# Altium PCB CGRA_Board_3.PcbDoc (part 2 of 7) (continued)
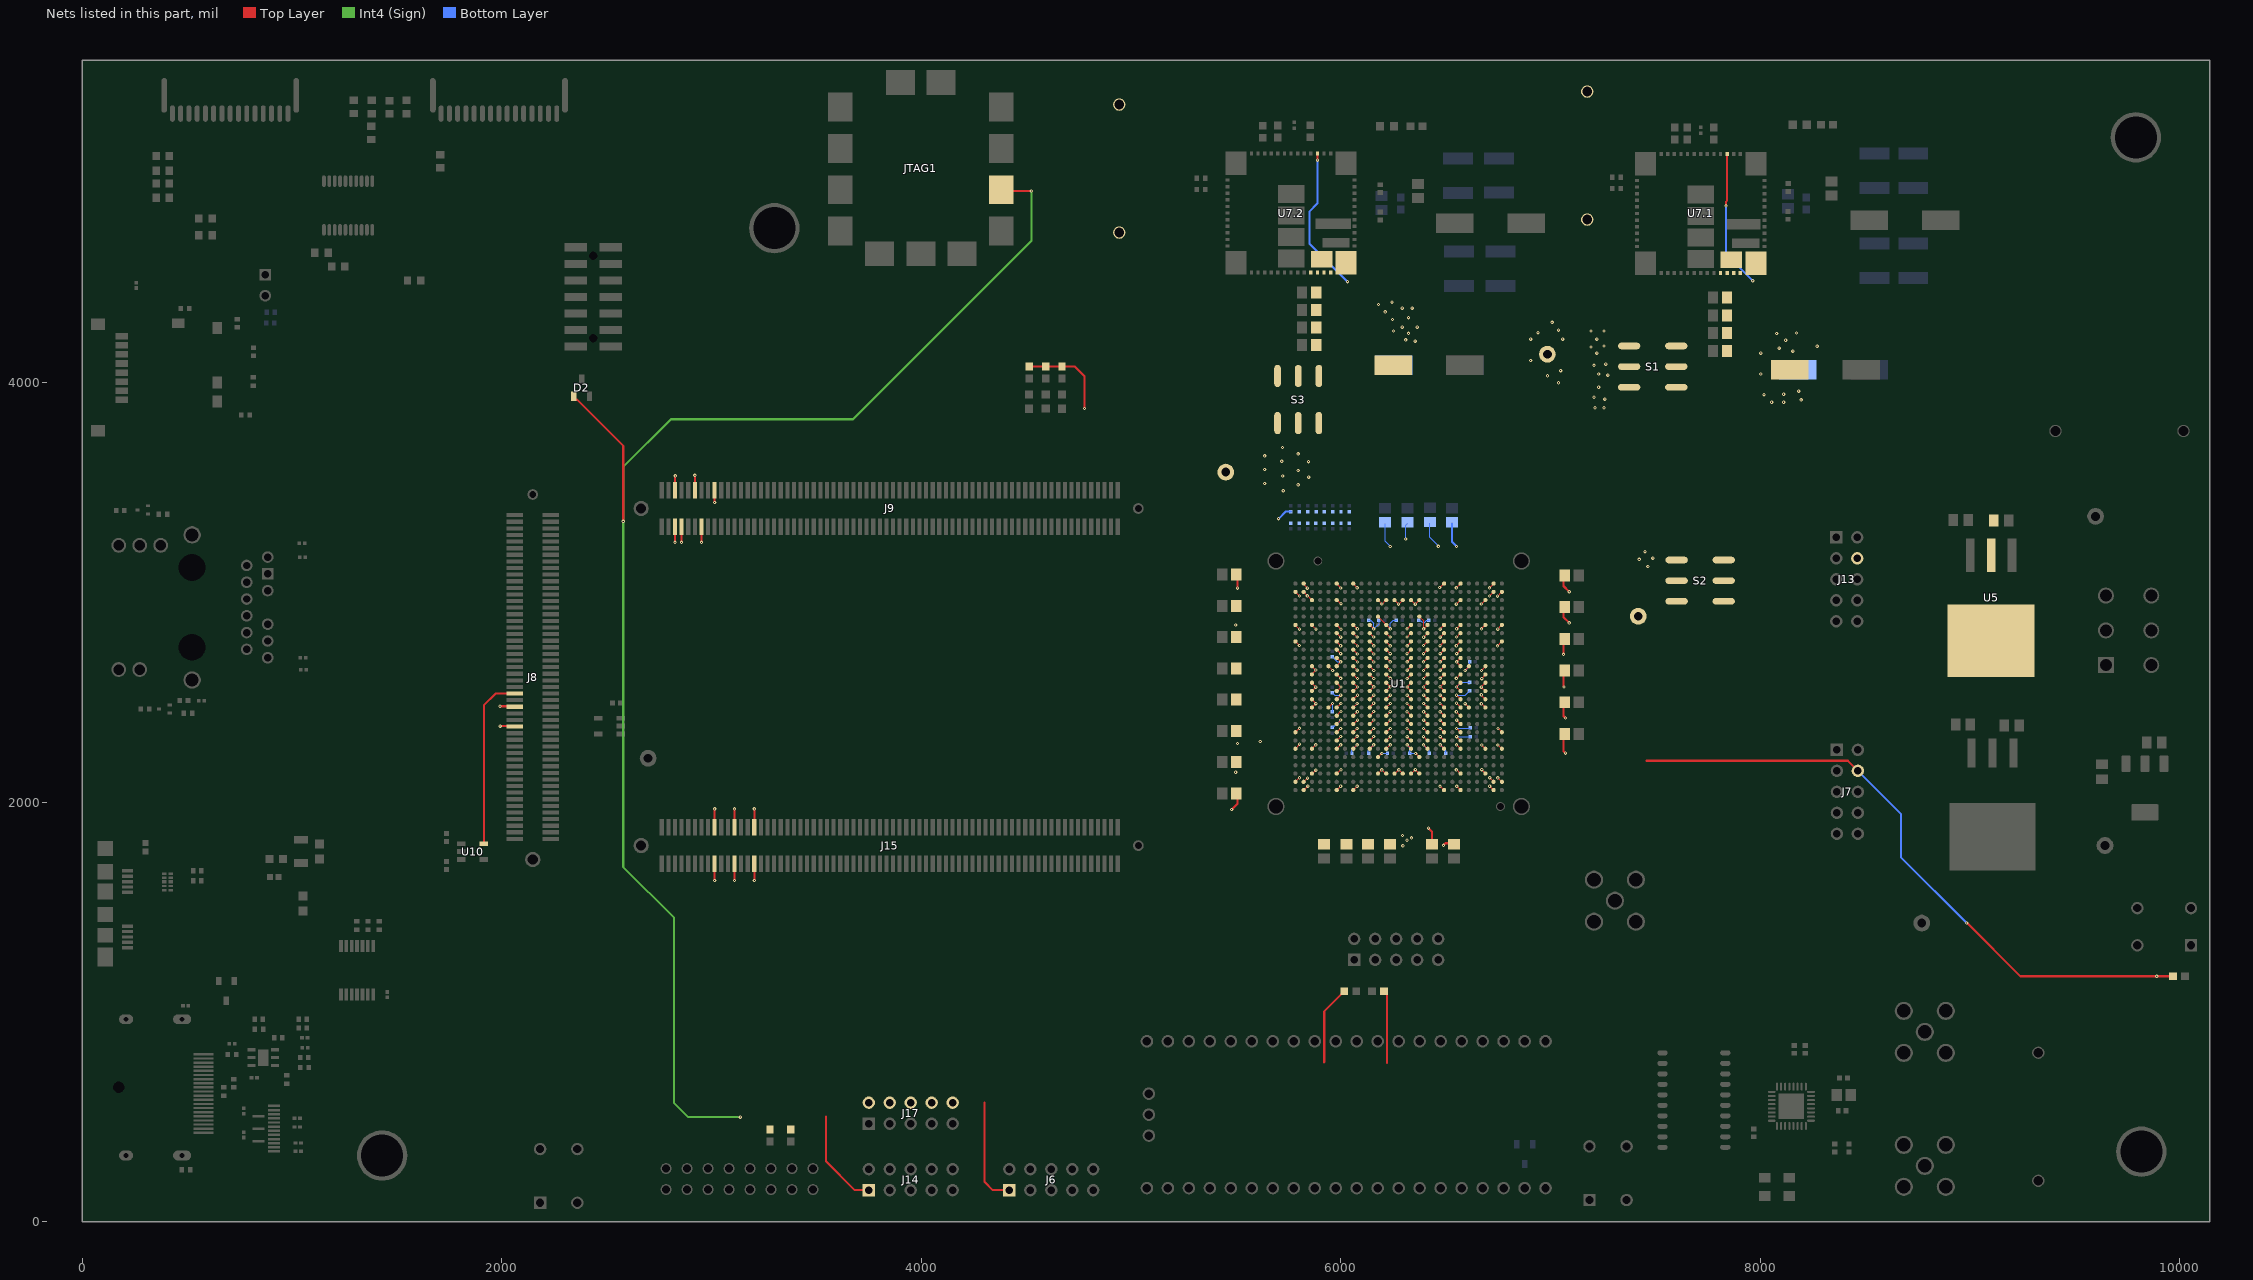
[diagram p10: the nets of this part, all layers, seen from the top]
## Part data (continued)
C165.1 C165.2 C166.1 C166.2 C167.1 C167.2 C168.1 C168.2: "Cap Ceramic 47uF 10V X5R 20% SMD 0805 85C Embossed T/R", Capacitance=47uF, Case Code (Imperial)=0805, Case Code (Metric)=2012, Dielectric=X5R, Dielectric Material=Ceramic, Manufacturer=Murata, Manufacturer Part Number=GRM21BR61A476ME15L, Max Operating Temperature=85°C, Min Operating Temperature=-55°C, Supplier Part Number 1=490-9961-1-ND, Tolerance=20%, Voltage=10V, Case/Package=0805, ComponentLink1Description=http://www.samsungsem.com/kr/support/product-search/mlcc/CL21A475KACLRNC.jsp, ComponentLink1URL=http://www.samsungsem.com/kr/support/product-search/mlcc/CL21A475KACLRNC.jsp, ComponentLink2Description=http://capacitoredge.kemet.com/capedge2/DataSheet?pn=C0805C105K3RAC7800, ComponentLink2URL=http://capacitoredge.kemet.com/capedge2/DataSheet?pn=C0805C105K3RAC7800, Depth=1.25mm, Dissipation Factor=0.035%, Height=1.25mm, Lead Free="Lead Free", Length=2mm, Mount="Surface Mount", Packaging="Tape and Reel", Pricing 1="1=0.93, 10=0.687, 100=0.4713, 500=0.37308, 1000=0.31418 (USD)", REACH SVHC="No SVHC", Stock 1=30000, Supplier 1=Digi-Key, Termination=SMD/SMT, Thickness=0.057inch, Voltage Rating=10V, Voltage Rating (DC)=10V, Width=0.049inch
C169.1 C169.2: "CAP CER 1UF 25V X7R 0805", Capacitance=1uF, Case Code (Imperial)=0805, Case Code (Metric)=2012, Dielectric=X7R, Manufacturer=Yageo, Manufacturer Part Number=CC0805KKX7R8BB105, Max Operating Temperature=125°C, Min Operating Temperature=-55°C, Package Quantity=3000, Supplier Part Number 1=311-1456-1-ND, Tolerance=10%, Voltage Rating=25V, Case/Package=0805, ComponentLink1Description=http://www.samsungsem.com/kr/support/product-search/mlcc/CL21A475KACLRNC.jsp, ComponentLink1URL=http://www.samsungsem.com/kr/support/product-search/mlcc/CL21A475KACLRNC.jsp, ComponentLink2Description=http://capacitoredge.kemet.com/capedge2/DataSheet?pn=C0805C105K3RAC7800, ComponentLink2URL=http://capacitoredge.kemet.com/capedge2/DataSheet?pn=C0805C105K3RAC7800, ComponentLink3Description=http://www.yageo.com/documents/recent/UPY-GPHC_X7R_6.3V-to-50V_18.pdf, ComponentLink3URL=http://www.yageo.com/documents/recent/UPY-GPHC_X7R_6.3V-to-50V_18.pdf, ComponentLink4Description=http://www.mouser.com/ds/2/447/Yageo_UPY-GP_NP0_16V-to-50V_9-358835.pdf, ComponentLink4URL=http://www.mouser.com/ds/2/447/Yageo_UPY-GP_NP0_16V-to-50V_9-358835.pdf, ComponentLink5Description=http://www.yageo.com/documents/recent/UPY-GPHC_X7R_6.3V-to-50V_8.pdf, ComponentLink5URL=http://www.yageo.com/documents/recent/UPY-GPHC_X7R_6.3V-to-50V_8.pdf, ComponentLink6Description=http://www.farnell.com/datasheets/1489800.pdf, ComponentLink6URL=http://www.farnell.com/datasheets/1489800.pdf, Composition=Ceramic, Depth=1.25mm, Dissipation Factor=5%, Halogen Free="Halogen Free", Height=1.25mm, Lead Free="Lead Free", Length=2mm, Mount="Surface Mount", Number of Pins=2, Packaging="Tape and Reel", Pricing 1="1=0.33, 10=0.226, 100=0.1145, 500=0.07832, 1000=0.06928 (USD)", Radiation Hardening=No, REACH SVHC="No SVHC", Stock 1=30000, Supplier 1=Digi-Key, Termination=SMD/SMT, Thickness=0.057inch, Voltage Rating (DC)=25V, Width=0.049inch
C170.1 C170.2: "CAP CER 10000PF 50V X7R 0402", Capacitance=10nF, Case Code (Imperial)=0402, Case Code (Metric)=1005, Dielectric=X7R, Manufacturer=Murata, Manufacturer Part Number=GCM155R71H103KA55D, Max Operating Temperature=125°C, Min Operating Temperature=-55°C, Package Quantity=1, Ratings=AEC-Q200, Supplier Part Number 1=490-4762-1-ND, Tolerance=10%, Voltage=50V, Case/Package=0402, ComponentLink1Description=http://search.murata.co.jp/Ceramy/image/img/A01X/G101/ENG/GRM0335C1E120JA01-01.pdf, ComponentLink1URL=http://search.murata.co.jp/Ceramy/image/img/A01X/G101/ENG/GRM0335C1E120JA01-01.pdf, ComponentLink2Description=http://search.murata.co.jp/Ceramy/image/img/A01X/partnumbering_e_01.pdf, ComponentLink2URL=http://search.murata.co.jp/Ceramy/image/img/A01X/partnumbering_e_01.pdf, ComponentLink3Description=http://www1.futureelectronics.com/doc/SAMSUNG/CL03A104KQ3NNNC.pdf, ComponentLink3URL=http://www1.futureelectronics.com/doc/SAMSUNG/CL03A104KQ3NNNC.pdf, ComponentLink4Description=https://www.distrelec.biz/Web/Downloads/_e/ng/MLCC_CatalogDownload2013_ENG.pdf?mime=application%2Fpdf, ComponentLink4URL=https://www.distrelec.biz/Web/Downloads/_e/ng/MLCC_CatalogDownload2013_ENG.pdf?mime=application%2Fpdf, ComponentLink5Description=https://www.verical.com/server-webapp/html/getDatasheet?partID=355266, ComponentLink5URL=https://www.verical.com/server-webapp/html/getDatasheet?partID=355266, ComponentLink6Description=http://psearch.murata.com/capacitor/product/GCM155R71H103KA55%23.pdf, ComponentLink6URL=http://psearch.murata.com/capacitor/product/GCM155R71H103KA55%23.pdf, ComponentLink7Description=https://www.verical.com/server-webapp/html/getDatasheet?partID=27433, ComponentLink7URL=https://www.verical.com/server-webapp/html/getDatasheet?partID=27433, ComponentLink8Description=http://psearch.en.murata.com/capacitor/product/GCM155R71H103KA55%23.pdf, ComponentLink8URL=http://psearch.en.murata.com/capacitor/product/GCM155R71H103KA55%23.pdf, ComponentLink9Description=http://search.murata.co.jp/Ceramy/image/img/A01X/partnumbering_e_02.pdf, ComponentLink9URL=http://search.murata.co.jp/Ceramy/image/img/A01X/partnumbering_e_02.pdf, ComponentLink10Description=http://uk.rs-online.com/webdocs/0ef9/0900766b80ef92d0.pdf, ComponentLink10URL=http://uk.rs-online.com/webdocs/0ef9/0900766b80ef92d0.pdf, Depth=0.5mm, Height=0.5mm, Lead Free="Lead Free", Length=1mm, Mount="Surface Mount", Packaging="Tape and Reel", Pricing 1="1=0.1, 10=0.048, 100=0.0215, 500=0.01538, 1000=0.01208, 2500=0.01098, 5000=0.0101 (USD)", Radiation Hardening=No, REACH SVHC="No SVHC", Stock 1=100000, Supplier 1=Digi-Key, Termination=SMD/SMT, Thickness=0.022inch, Voltage Rating=50V, Voltage Rating (DC)=50V, Width=0.02inch
C171.1 C171.2: "Multilayer Ceramic Capacitors MLCC - SMD/SMT 0402 2.2uF 25volts *Derate Voltage/Temp", Capacitance=2.2uF, Case Code (Imperial)=0402, Case Code (Metric)=1005, Dielectric=X5R, Manufacturer=Murata, Manufacturer Part Number=GRM155R61E225ME15D, Max Operating Temperature=85°C, Min Operating Temperature=-55°C, Package Quantity=10000, Supplier Part Number 1=490-10457-1-ND, Tolerance=20%, Voltage Rating=25V, Case/Package=0402, ComponentLink1Description=http://search.murata.co.jp/Ceramy/image/img/A01X/G101/ENG/GRM0335C1E120JA01-01.pdf, ComponentLink1URL=http://search.murata.co.jp/Ceramy/image/img/A01X/G101/ENG/GRM0335C1E120JA01-01.pdf, ComponentLink2Description=http://search.murata.co.jp/Ceramy/image/img/A01X/partnumbering_e_01.pdf, ComponentLink2URL=http://search.murata.co.jp/Ceramy/image/img/A01X/partnumbering_e_01.pdf, ComponentLink3Description=http://www1.futureelectronics.com/doc/SAMSUNG/CL03A104KQ3NNNC.pdf, ComponentLink3URL=http://www1.futureelectronics.com/doc/SAMSUNG/CL03A104KQ3NNNC.pdf, ComponentLink4Description=https://www.distrelec.biz/Web/Downloads/_e/ng/MLCC_CatalogDownload2013_ENG.pdf?mime=application%2Fpdf, ComponentLink4URL=https://www.distrelec.biz/Web/Downloads/_e/ng/MLCC_CatalogDownload2013_ENG.pdf?mime=application%2Fpdf, ComponentLink5Description=https://www.verical.com/server-webapp/html/getDatasheet?partID=355266, ComponentLink5URL=https://www.verical.com/server-webapp/html/getDatasheet?partID=355266, ComponentLink6Description=http://psearch.murata.com/capacitor/product/GCM155R71H103KA55%23.pdf, ComponentLink6URL=http://psearch.murata.com/capacitor/product/GCM155R71H103KA55%23.pdf, ComponentLink7Description=https://www.verical.com/server-webapp/html/getDatasheet?partID=27433, ComponentLink7URL=https://www.verical.com/server-webapp/html/getDatasheet?partID=27433, ComponentLink8Description=http://psearch.en.murata.com/capacitor/product/GCM155R71H103KA55%23.pdf, ComponentLink8URL=http://psearch.en.murata.com/capacitor/product/GCM155R71H103KA55%23.pdf, ComponentLink9Description=http://search.murata.co.jp/Ceramy/image/img/A01X/partnumbering_e_02.pdf, ComponentLink9URL=http://search.murata.co.jp/Ceramy/image/img/A01X/partnumbering_e_02.pdf, ComponentLink10Description=http://uk.rs-online.com/webdocs/0ef9/0900766b80ef92d0.pdf, ComponentLink10URL=http://uk.rs-online.com/webdocs/0ef9/0900766b80ef92d0.pdf, Height=0.5mm, Length=0.039inch, Mount="Surface Mount", Packaging="Tape and Reel", Pricing 1="1=0.34, 10=0.23, 100=0.1163, 500=0.0796, 1000=0.07041, 2500=0.06735, 5000=0.06123 (USD)", Stock 1=100000, Supplier 1=Digi-Key, Termination=SMD/SMT, Thickness=0.022inch, Voltage Rating (DC)=25V, Weight=0.000212oz, Width=0.02inch
C172.1 C172.2: "Multilayer Ceramic Capacitors MLCC - SMD/SMT 0.0015uF 25Volts 10%", Capacitance=1.5nF, Case Code (Imperial)=0201, Case Code (Metric)=0603, Dielectric=X7R, Manufacturer=Murata, Manufacturer Part Number=GCM033R71E152KA03D, Max Operating Temperature=125°C, Min Operating Temperature=-55°C, Package Quantity=15000, Ratings=AEC-Q200, Supplier Part Number 1=490-7996-1-ND, Tolerance=10%, Voltage Rating=25V, Case/Package=0201, ComponentLink1Description=http://search.murata.co.jp/Ceramy/image/img/A01X/G101/ENG/GRM0335C1E120JA01-01.pdf, ComponentLink1URL=http://search.murata.co.jp/Ceramy/image/img/A01X/G101/ENG/GRM0335C1E120JA01-01.pdf, ComponentLink2Description=http://search.murata.co.jp/Ceramy/image/img/A01X/partnumbering_e_01.pdf, ComponentLink2URL=http://search.murata.co.jp/Ceramy/image/img/A01X/partnumbering_e_01.pdf, ComponentLink3Description=http://search.murata.co.jp/Ceramy/image/img/A01X/partnumbering_e_02.pdf, ComponentLink3URL=http://search.murata.co.jp/Ceramy/image/img/A01X/partnumbering_e_02.pdf, ComponentLink4Description=http://psearch.murata.com/capacitor/product/GCM033R71E152KA03%23.pdf, ComponentLink4URL=http://psearch.murata.com/capacitor/product/GCM033R71E152KA03%23.pdf, ComponentLink5Description=https://www.murata.com/~/media/webrenewal/support/library/catalog/products/capacitor/mlcc/c03e.ashx?la=en-us, ComponentLink5URL=https://www.murata.com/~/media/webrenewal/support/library/catalog/products/capacitor/mlcc/c03e.ashx?la=en-us, Depth=0.3mm, Height=0.3mm, Length=0.6mm, Mount="Surface Mount", Packaging="Tape and Reel", Pricing 1="1=0.1, 10=0.048, 100=0.0216, 500=0.01542, 1000=0.01211, 2500=0.01101, 5000=0.01013 (USD)", Radiation Hardening=No, Stock 1=27534, Supplier 1=Digi-Key, Termination=SMD/SMT, Thickness=0.013inch, Voltage Rating (DC)=25V, Width=0.012inch
C173: library part CMP-1035-02779-1, "CAP 4.7uF 6.3V ±10% 0603 (1608 Metric) Thickness 0.55mm SMD", Case-EIA=0603, Case-Metric=1608, Rated Voltage="6.3 V", Tolerance=Â±10%, Max Thickness="0.55 mm", Technology=SMT
C174 C177: library part CMP-1034-02069-1, "CAP 100nF 16V ±10% 0402 (1005 Metric) Thickness 0.6mm SMD", Case-EIA=0402, Case-Metric=1005, Rated Voltage="16 V", Tolerance=Â±10%, Max Thickness="0.6 mm", Technology=SMT
C175: library part CMP-1035-01675-1, "CAP 470pF 50V ±5% 0603 (1608 Metric) Thickness 1mm SMD", Case-EIA=0603, Case-Metric=1608, Rated Voltage="50 V", Tolerance=Â±5%, Max Thickness="1 mm", Technology=SMT
C176: library part CMP-1037-05005-1, "CAP 100uF 6.3V ±20% 1206 (3216 Metric) Thickness 1.9mm SMD", Case-EIA=1206, Case-Metric=3216, Rated Voltage="6.3 V", Tolerance=Â±20%, Max Thickness="1.9 mm", Technology=SMT
C178 C179 C180 C181 C182 C183 C184 C185: library part CAP_0603, "100nF 10V", Case-EIA=0603, Case-Metric=1608, Rated Voltage="50 V", Tolerance=Â±10%, Max Thickness="1 mm", Technology=SMT
CLK1: Supplier Part Number 1=505-AD9552BCPZ-REEL7CT-ND, Supplier 1=Digi-Key
D1 D5: Supplier Part Number 1=BAT400D-FDICT-ND, Supplier 1=Digi-Key
D2: "Schottky Diode", Manufacturer_Name="Diodes Inc.", Mouser Part Number=621-BAT400D-F, RS Part Number=7513354P, Datasheet Link=https://www.diodes.com/assets/Datasheets/ds30182.pdf, Height=1.1mm, Manufacturer_Part_Number=BAT400D-7-F, Mouser Price/Stock=https://www.mouser.com/Search/Refine.aspx?Keyword=621-BAT400D-F, RS Price/Stock=http://uk.rs-online.com/web/p/products/7513354P
D4: "4-Channel ESD Protection Diode", Supplier Part Number 1=296-35765-1-ND, Supplier 1=Digi-Key
DS2 DS3 DS4 DS5 DS6: library part CMP-0404-00001-1, "LED, SMT, 0603(1608), 1.1mm thickness, Green", Forward Current="30 mA", Manufacturer=Kingbright, Power Dissipation="75 mW", Reverse Voltage="5 V", Storage Temperature="-40 to +85 degC", ComponentLink1Description="Manufacturer URL", ComponentLink1URL=http://www.kingbright.com/, Mounting Technology="Surface Mount", PackageDescription="2-Pin SMT LED, 1.6 x 0.8 mm Pitch", PackageReference=0603LED_GREEN, Packing Type="2000 pcs / reel", PartNumber=KP-1608MGC
HDR1: Supplier Part Number 1=S2011EC-08-ND, Supplier 1=Digi-Key
IC1: "Integrated Circuit", Manufacturer_Name="Fairchild Semiconductor", Mouser Part Number=512-FIN1019MTCX, RS Part Number=8070805P, Datasheet Link=http://media.digikey.com/pdf/Data%20Sheets/Fairchild%20PDFs/FIN1019.pdf, Height=1.2mm, Manufacturer_Part_Number=FIN1019MTCX, Mouser Price/Stock=https://www.mouser.com/Search/Refine.aspx?Keyword=512-FIN1019MTCX, RS Price/Stock=http://uk.rs-online.com/web/p/products/8070805P
J1: "Connector", Manufacturer_Name=Molex, Datasheet Link=https://www.molex.com/pdm_docs/sd/5025700893_sd.pdf, Height=1mm, Manufacturer_Part_Number=5025700893
J2: library part CMP-1715-00001-1, "Gigabit MagJack(R) Ultra Low Profile, 10/100/1000 Base-T, 19-Pin THD, RoHS, Tray", Case/Package=Metal, Package Quantity=60, ComponentLink1Description="Manufacturer URL", ComponentLink1URL=http://belfuse.com/ethernet/, ComponentLink2Description=Datasheet, ComponentLink2URL=http://belfuse.com/pdfs/L829-1J1T-43.pdf, DatasheetVersion="Rev. G", Height="11.3 mm", Length="17.78 mm", Mount="Through Hole", Mounting Technology="Through Hole", PackageDescription="19-Pin Through Hole Device, Body 23.94 x 17.58 mm, Pitch 2.03 mm", Packaging=Tray, PartNumber=L829-1J1T-43, Pins=8, RoHSCompliant=True, Width="24.13 mm"
J3: library part CMP-1594-00001-1, "4.2 mm Pitch Mini-Fit Jr.Power Connector, Vertical, Through Hole, 6 Circuits, -40 to 105 degC, RoHS, Bag", Temperature Max="105 degC", Temperature Min="-40 degC", ComponentLink1Description="Manufacturer URL", ComponentLink1URL=http://www.molex.com/, ComponentLink2Description=Datasheet, ComponentLink2URL=http://www.molex.com/webdocs/datasheets/pdf/en-us/0039281063_PCB_HEADERS.pdf, ComponentLink3Description="Package Specification", ComponentLink3URL=http://www.molex.com/pdm_docs/sd/039281063_sd.pdf, Mounting Technology="Through Hole", No. of Positions=6, No. of Rows=2, Orientation=Vertical, PackageDescription="6-Pin PCB Header, Vertical, Pitch 4.2 mm, Through Hole", PackageVersion="Rev. F, 06/2009", Packing=Bag, PartNumber=39-28-1063, Pitch="4.2 mm", RoHS=TRUE
J4 J5 J18: "SMA Straight Jack, Up to 18 GHz, -55 to 155 degC", ComponentLink1Description="Manufacturer URL", ComponentLink1URL=http://www.rosenberger.de, ComponentLink2Description=Datasheet, ComponentLink2URL=http://rosenberger.de/ok/images/documents/db/32K101-400L5.pdf, ComponentLink3Description="Package Specification", ComponentLink3URL=http://rosenberger.de/ok/images/documents/db/32K101-400L5.pdf, ComponentLink4Description="Series Overview / Design Note", ComponentLink4URL=http://rosenberger.de/ok/images/documents/spez/32.pdf, ComponentLink5Description="Webshop / RFQ", ComponentLink5URL=http://www.rosenberger.com/en/contact/sales/, DatasheetVersion=a00, Design Note="Footprint in library is a generic example - only application specific footprint delivers High Performance", Mounting Technology="Through Hole", PackageDescription="SMA Straight Jack, 6.35 x 6.35 x 9.5 mm", PackageReference=32K101-400L5, PackageVersion=a00, PartNumber=32K101-400L5
J6 J7 J13 J14 J16 J17: "Header, 5-Pin, Dual row", Supplier Part Number 1=S2011EC-05-ND, LatestRevisionDate=17-Jul-2002, LatestRevisionNote="Re-released for DXP Platform.", Publisher="Altium Limited", Supplier 1=Digi-Key
J8: "Connector", Manufacturer_Name="TE Connectivity", Mouser Part Number=571-5177985-4, RS Part Number=1647793, Allied_Number=R1112643, Allied Price/Stock=http://www.alliedelec.com/te-connectivity-5177985-4/R1112643/, Datasheet Link=https://www.te.com/commerce/DocumentDelivery/DDEController?Action=srchrtrv&DocNm=5177985&DocType=Customer+Drawing&DocLang=English&DocFormat=pdf&PartCntxt=5177985-4, Manufacturer_Part_Number=5177985-4, Mouser Price/Stock=https://www.mouser.com/Search/Refine.aspx?Keyword=571-5177985-4, RS Price/Stock=http://uk.rs-online.com/web/p/products/1647793
J9 J15: "Connector", Manufacturer_Name="TE Connectivity", Mouser Part Number=571-5177985-6, Datasheet Link=https://www.te.com/commerce/DocumentDelivery/DDEController?Action=srchrtrv&DocNm=5177985&DocType=Customer+Drawing&DocLang=English&DocFormat=pdf&PartCntxt=5177985-6, Manufacturer_Part_Number=5177985-6, Mouser Price/Stock=https://www.mouser.com/Search/Refine.aspx?Keyword=571-5177985-6
J10: library part CMP-1502-03225-1, "Micro USB 3.0 Type B Receptacle WR-COM, Horizontal, SMT, with Pads", Contact Resistance=50mOhm, Manufacturer="Wurth Elektronik", Operating Temperature=-20to85degC, Rated Current=0.25A, Working Voltage=30VAC, Connector Type=MicroUSB3.0TypeB, Datasheet URL=https://katalog.we-online.de/em/datasheet/692622030100.pdf, Gender=Receptacle, Manufacturer URL=http://www.we-online.de, Mounting Technology=SMT, Orientation=Horizontal, Package Reference=692622030100, Packaging=TapeandReel, Part Number=692622030100, Publisher=WurthElektronik
JTAG1: Supplier Part Number 1=1286-1218-ND, Supplier 1=Digi-Key
L1: "Ferrite bead, 30ohm @ 100MHz", Supplier Part Number 1=732-4659-1-ND, Supplier 1=Digi-Key
P1: library part CMP-2000-05608-1, "DisplayPort Connector, Pitch 0.5 mm, 1 x 20 Position, Height 6.65 mm, -20 to 85 degC, RoHS, Tape and Reel", Contact Resistance=30mohm, Contact Resistance Max=50mohm, Current Max=0.5A, Flammability Rating=UL94V-0, Insulation Resistance=10Mohm, Manufacturer=Molex, Operating Temperature Max=+85°C, Operating Temperature Min=-20°C, Package Description="DisplayPort Connector, Pitch 0.5 mm, 1 x 20 Position, Height 6.65 mm", Voltage Rating V AC=40V, Withstand Voltage=500V, Connector Mounting=PCB, Connector Type=DisplayPort, Contact Material=CopperAlloy, Contact Plating=Gold, Contact Termination=SurfaceMountRightAngle, Datasheet URL=http://www.molex.com/pdm_docs/sd/472720001_sd.pdf, Datasheet Version="Rev. F, 06/2009", De-mating Force=9.8N, Gender=Receptacle, Lead Spacing=0.5mm, Manufacturer URL=http://www.molex.com/, Mating Force=44.1N, Mounting Orientation=Horizontal, Mounting Technology=SurfaceMount, No. of Contacts=20, No. of Mating Cycles=10000, Package Reference=47272-0001, Pitch Spacing=0.50mm, Series=47272
P2: library part CMP-2000-07492-1, "Male Header, Pitch 2.54 mm, 1 x 2 Position, Height 8.21 mm, Tail Length 3.05 mm, -65 to 105 degC, RoHS, Bulk", Case\/Package=100, Colour=Black, Current Rating=3A, Flammability Rating=UL94V-0, High Temperature Housing=Yes, Manufacturer="TE Connectivity", Max Current Rating=5A, Max Operating Temperature=105degC, Min Operating Temperature=-65degC, Package Description="Male Header, Pitch 2.54 mm, 1 x 2 Position, Height 8.21 mm, Tail Length 3.05 mm", Package Quantity=500, Approvals=CSA, Board Standoff=No(Without), Connector Type=Header, Contact Gender=Male, Contact Material=CopperAlloy, Contact Mating Length=0.23inch, Contact Plating=Matte, Contact Protection=No(Without), Contact Shape=Square, Datasheet URL=http://www.te.com/commerce/DocumentDelivery/DDEController?Action=showdoc&DocId=Customer+Drawing%7F146280%7FH1%7Fpdf%7FEnglish%7FENG_CD_146280_H1.pdf%7F5-146280-2, Datasheet Version="Rev. H1, 08/2016", Depth=2.34mm, Gasket=No(Without), High Speed Serial Data Connector=No, Housing Colour=Black, Housing Material=Polymer, Keyed=No, Length=4.67mm, Manufacturer URL=http://www.te.com/, Mating Alignment=No(Without), Mating Connector Lock=No(Without), Mating Post Length=0.23inch, Mount=ThroughHole, Mounting Technology=ThroughHole, Number of Contacts=2, Number of Positions=2, Number of Rows=1, Orientation=Straight, Package Reference=5-146280-2, Packaging=Carton, Panel Mount Retention=No(Without), PCB Mounting Orientation=Vertical, PCB Mount Retention=Without, PCB Thickness=0.063inch, Pitch=2.54mm, Radiation Hardening=No, RoHSCompliant=true, Row Spacing=2.54mm, Selectively Loaded=No(Without), Stabilizers=No(Without), Termination=ThroughHole, Termination Post Length=0.12inch
P3: library part CMP-2000-05520-1, "Male Header, Pitch 2 mm, 2 x 7 Position, Height 7.6 mm, -55 to 105 degC, RoHS", Manufacturer=Molex, Package Description="Male Header, Pitch 2 mm, 2 x 7 Positions, Height 7.6 mm", Datasheet URL=http://www.molex.com/pdm_docs/sd/878321420_sd.pdf, Datasheet Version="Rev. G, 01/2012", Manufacturer URL=http://www.molex.com/, Mounting Technology=SurfaceMount, Package Reference=878321420
Q1 Q2: library part CMP-1048-00420-1, "General Purpose Transistor, NPN Silicon, 3-Pin SC-75, Pb-Free, Tape and Reel", Manufacturer="On Semiconductor", ComponentLink1Description="Manufacturer URL", ComponentLink1URL=http://www.onsemi.com/, ComponentLink2Description=Datasheet, ComponentLink2URL=http://www.onsemi.cn/pub_link/Collateral/MMBT3904TT1-D.PDF, ComponentLink3Description="Package Specification", ComponentLink3URL=http://www.onsemi.com/pub_link/Collateral/463-01.PDF, DatasheetVersion="Rev. 5", fT Min (MHz)=300, IC Continuous (A)=0.2, Mounting Technology="Surface Mount", PackageDescription="3-Pin Small Outline Transistor, Body 1.6 x 0.8 mm, Pitch 0.5 mm", PackageReference=SC-75-3-463-01, PackageVersion="Rev. F, 07/2005", Packing="Tape and Reel", PartNumber=MMBT3904TT1G, Polarity=NPN, RoHS=TRUE
R5 R6 R7 R8 R9 R10 R11 R12 R13 R14 R15 R16 R17 R18 R19 R20 R21 R22 R23 R24 R25 R26 R27 R28 R29 R30 R31 R33 R34 R36 R37: library part RES_0402
R32 R35 R44 R54 R55: "Res Thin Film 0603 240 Ohm 0.1% 0.1W(1/10W) ±25ppm/C Molded SMD Automotive Punched T/R", Case Code (Imperial)=0603, Case Code (Metric)=1608, Manufacturer=Panasonic, Manufacturer Part Number=ERA-3AEB101V, Max Operating Temperature=155°C, Max Power Dissipation=100mW, Min Operating Temperature=-55°C, Package Quantity=5000, Resistance=240, Supplier Part Number 1=24W2812, Temperature Coefficient=25ppm/°C, Tolerance=0.1%, Voltage Rating=75V, Case/Package=0603, ComponentLink1Description=https://www.rohm.com/datasheet/ESR01MZPF/esr-e, ComponentLink1URL=https://www.rohm.com/datasheet/ESR01MZPF/esr-e, ComponentLink2Description=http://www.farnell.com/datasheets/485442.pdf, ComponentLink2URL=http://www.farnell.com/datasheets/485442.pdf, ComponentLink3Description=http://industrial.panasonic.com/www-data/pdf/AOA0000/AOA0000CE26.pdf, ComponentLink3URL=http://industrial.panasonic.com/www-data/pdf/AOA0000/AOA0000CE26.pdf, ComponentLink4Description=http://www.farnell.com/datasheets/2059650.pdf, ComponentLink4URL=http://www.farnell.com/datasheets/2059650.pdf, ComponentLink5Description=http://www.farnell.com/datasheets/39837.pdf, ComponentLink5URL=http://www.farnell.com/datasheets/39837.pdf, ComponentLink6Description=http://uk.rs-online.com/webdocs/0fe2/0900766b80fe20f7.pdf, ComponentLink6URL=http://uk.rs-online.com/webdocs/0fe2/0900766b80fe20f7.pdf, ComponentLink7Description=https://www.alliedelec.com/m/d/b6b0537e86f421aa7f5975bb1d8f429a.pdf, ComponentLink7URL=https://www.alliedelec.com/m/d/b6b0537e86f421aa7f5975bb1d8f429a.pdf, ComponentLink8Description=https://www.distrelec.biz/Web/Downloads/_t/ds/ERA_eng_tds.pdf?mime=application%2Fpdf, ComponentLink8URL=https://www.distrelec.biz/Web/Downloads/_t/ds/ERA_eng_tds.pdf?mime=application%2Fpdf, ComponentLink9Description=http://www.produktinfo.conrad.com/datenblaetter/450000-474999/450355-da-01-en-WIDERSTAND_0603_ERA.pdf, ComponentLink9URL=http://www.produktinfo.conrad.com/datenblaetter/450000-474999/450355-da-01-en-WIDERSTAND_0603_ERA.pdf, Composition="Metal Film,Thin Film", Contact Plating=Tin, Depth=0.8mm, Height=0.45mm, Length=1.6mm, Military Standard=Not, Mount="Surface Mount", Number of Pins=2, Number of Terminations=2, Packaging="Tape and Reel", Power Rating=100mW, Pricing 1="1=0.35, 10=0.3, 100=0.1172, 1000=0.04906, 2500=0.04498 (USD)", Radiation Hardening=No, REACH SVHC="No SVHC", Stock 1=511300, Supplier 1=Newark, Termination=SMD/SMT, Width=0.8mm
R38 R39 R40 R41.1 R41.2 R42.1 R42.2 R43 R56: "RES SMD 10K OHM 1% 1/4W 0603", Case Code (Imperial)=0603, Case Code (Metric)=1608, Manufacturer=Rohm, Manufacturer Part Number=ESR03EZPF1002, Max Operating Temperature=155°C, Max Power Dissipation=250mW, Min Operating Temperature=-55°C, Package Quantity=1, Resistance=10K, Supplier Part Number 1=P10.0KHCT-ND, Temperature Coefficient=100ppm/°C, Tolerance=1%, Case/Package=0603, ComponentLink1Description=https://www.rohm.com/datasheet/ESR01MZPF/esr-e, ComponentLink1URL=https://www.rohm.com/datasheet/ESR01MZPF/esr-e, Composition="Thick Film", Features="Automotive AEC-Q200", Height=0.022inch, Lead Free="Lead Free", Length=0.063inch, Number of Terminations=2, Packaging="Tape and Reel", Power Rating=250mW, Pricing 1="1=0.14, 10=0.126, 100=0.0484, 1000=0.0213, 2500=0.01839 (USD)", Stock 1=273579, Supplier 1=Digi-Key, Width=0.031inch
R45 R46: library part CMP-1011-00001-1, "Jumper 0402 (1005 Metric)", Case-EIA=0402, Case-Metric=1005, Power=None, Technology=SMT, Tolerance=None
R47 R48 R49 R50 R51 R52 R53: library part CMP-1012-00623-1, "10K 0.1W 1% 0603 (1608 Metric)  SMD", Case-EIA=0603, Case-Metric=1608, Power="0.1 W", Tolerance="1 %", Technology=SMT
Rcomp1.1 Rcomp1.2: "RESISTOR, 665R, 0603, 0.1%, 0.1W", Case Code (Imperial)=0603, Case Code (Metric)=1608, Manufacturer=Panasonic, Manufacturer Part Number=ERA3AEB6650V, Max Operating Temperature=155°C, Max Power Dissipation=100mW, Min Operating Temperature=-55°C, Package Quantity=1, Resistance=665, Supplier Part Number 1=P665DBCT-ND, Temperature Coefficient=25ppm/°C, Tolerance=0.1%, Voltage Rating=75V, Case/Package=0603, ComponentLink1Description=https://www.rohm.com/datasheet/ESR01MZPF/esr-e, ComponentLink1URL=https://www.rohm.com/datasheet/ESR01MZPF/esr-e, ComponentLink2Description=http://www.farnell.com/datasheets/485442.pdf, ComponentLink2URL=http://www.farnell.com/datasheets/485442.pdf, ComponentLink3Description=http://industrial.panasonic.com/www-data/pdf/AOA0000/AOA0000CE26.pdf, ComponentLink3URL=http://industrial.panasonic.com/www-data/pdf/AOA0000/AOA0000CE26.pdf, ComponentLink4Description=http://uk.rs-online.com/webdocs/0eb1/0900766b80eb1d8c.pdf, ComponentLink4URL=http://uk.rs-online.com/webdocs/0eb1/0900766b80eb1d8c.pdf, Composition="Metal Film,Thin Film", Contact Plating=Tin, Depth=0.8mm, Features="Automotive AEC-Q200", Height=0.45mm, Lead Free="Lead Free", Length=1.6mm, Military Standard=Not, Mount="Surface Mount", Number of Pins=2, Number of Terminations=2, Packaging="Tape and Reel", Power Rating=100mW, Pricing 1="1=0.35, 10=0.3, 100=0.1172, 1000=0.04906, 2500=0.04498 (USD)", Radiation Hardening=No, Stock 1=9157, Supplier 1=Digi-Key, Voltage Rating (DC)=75V, Width=0.8mm
Rset1.1 Rset1.2: "RES SMD 1K OHM 5% 1/4W 0603", Case Code (Imperial)=0603, Case Code (Metric)=1608, Manufacturer=Rohm, Manufacturer Part Number=ESR03EZPJ102, Max Operating Temperature=155°C, Max Power Dissipation=250mW, Min Operating Temperature=-55°C, Package Quantity=1, Resistance=1K, Supplier Part Number 1=RHM1.0KDCT-ND, Temperature Coefficient=200ppm/°C, Tolerance=5%, Case/Package=0603, ComponentLink1Description=https://www.rohm.com/datasheet/ESR01MZPF/esr-e, ComponentLink1URL=https://www.rohm.com/datasheet/ESR01MZPF/esr-e, Composition="Thick Film", Features="Automotive AEC-Q200", Height=0.022inch, Lead Free="Lead Free", Length=0.063inch, Number of Terminations=2, Packaging="Tape and Reel", Pricing 1="1=0.1, 10=0.087, 100=0.0333, 1000=0.01464, 2500=0.01264 (USD)", Stock 1=381742, Supplier 1=Digi-Key, Width=0.031inch